# Altium PCB SPG300 Rev05.PcbDoc (part 7 of 8)
Units mm, origin at the board's own origin, x right, y up, seen from the top; angles counter-clockwise.
Board outline 176 x 152 mm, 6 copper layers (Top Layer, GND, Layer 1, Layer 2, PWR, Bottom Layer), stack 1.924 mm thick; 738 components, 393 nets, 2440 pads, 974 vias.
Unrouted connection lines stored in the file: 395.
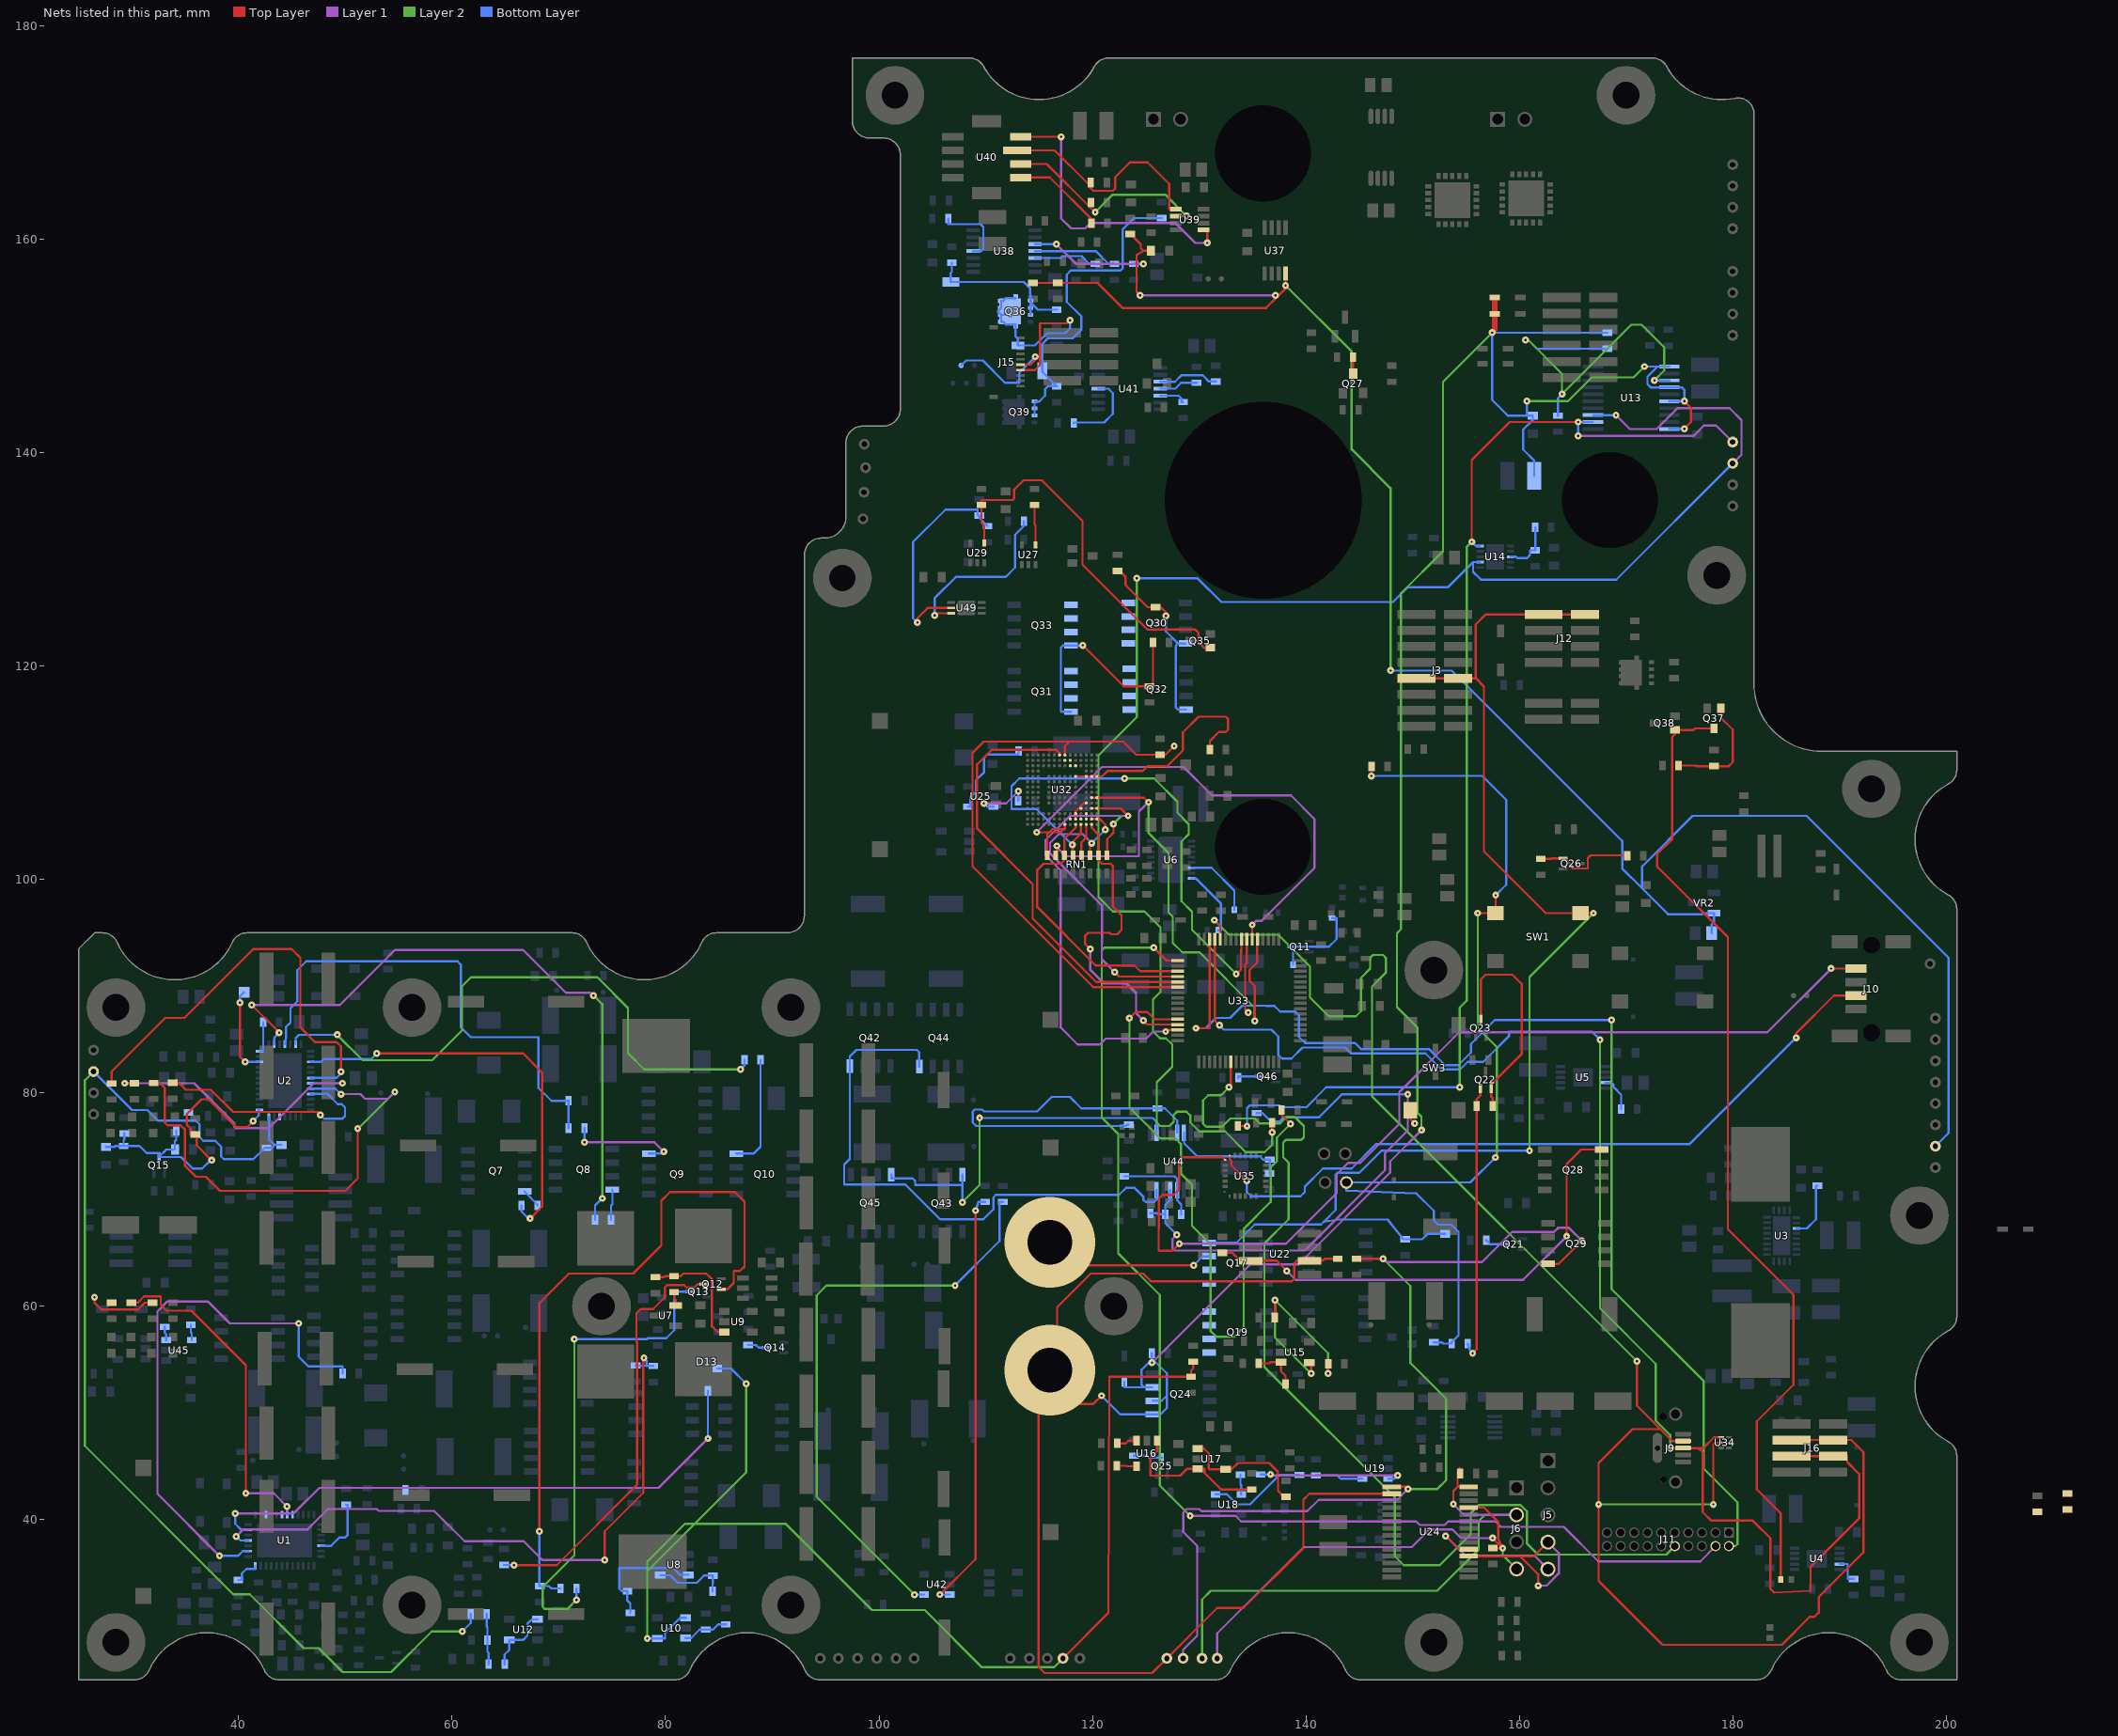
[diagram p11: the nets of this part, all layers, seen from the top]

## Via types
v1: diameter 0.65, hole 0.203, Top Layer to Bottom Layer, 964 vias
v2: diameter 8.5/0.5/0.5/8.5 (per signal layer), hole 4.2, Top Layer to Bottom Layer, 9 vias
v3: diameter 0.905, hole 0.305, Top Layer to Bottom Layer, 1 vias

## Nets (pads, with @x,y where several pads share a name; then routed paths per layer and width w, separated by ;. In a path a pad name is that pad's centre, name@x,y a point inside that pad or via, vN(x,y) a via of type N, cw(c..) or ccw(c..) an arc to the next point about the centre after c; other vN are vias at no path point) (continued)
NetQ7_G: Q7.G R41.2 | length 1.8
  Bottom Layer w0.203: Q7.G@66.821,70.779 66.821,70.698 68,69.52 R41.2@68,69.449
NetQ8_G: Q8.G R42.2 | length 2.9
  Bottom Layer w0.203: R42.2@74.9,68.099 74.9,69.444 75.021,69.566 Q8.G@75.021,70.925
NetQ9_G: Q9.G R38.2 | length 10.6
  Layer 1 w0.203: v1(72.399,75.362) 78.969,75.362 v1(79.832,74.498)
  Bottom Layer w0.203: v1(72.399,75.362) R38.2@72.399,76.699 ; Q9.G@78.439,74.305 79.639,74.305 v1(79.832,74.498)
NetQ10_G: Q10.G R40.2 | length 10.7
  Bottom Layer w0.203: Q10.G@86.629,74.305 88.24,74.305 88.899,74.965 R40.2@88.899,83.1
NetQ11_3: Q11.3 R76.2 R77.2 | length 8.5
  Bottom Layer w0.203: Q11.3@138.7,93.7 Q11.3@138.8,93.7 ; R77.2@138.8,92 Q11.3@138.8,93.7 ; R76.2@142.475,96.375 142.875,96.375 142.875,94.412 142.163,93.7 Q11.3@138.8,93.7
NetQ12_B: Q12.1 R86.2 R89.1 | length 64.8
  Top Layer w0.203: v1(68.174,38.913) 68.174,60.3 70.942,63.068 76.962,63.068 79.604,65.71 79.604,69.901 80.416,70.714 86.487,70.714 87.401,69.799 87.401,63.729 86.97,63.297 86.385,63.297 86.385,62.179 85.781,61.575 Q12.1@85.219,61.575
  Bottom Layer w0.203: v1(68.174,38.913) 68.174,33.775 R86.2@68.226,33.775 69.063,33.775 69.288,33.549 R89.1@70.15,33.549
NetQ12_C: Q12.3 R84.1 | length 39.9
  Top Layer w0.203: v1(65.786,35.738) 69.799,35.738 77.343,43.282 77.343,56.642 77.267,56.718 77.267,59.334 77.673,59.741 78.842,59.741 79.934,60.833 79.934,61.773 80.137,61.976 81.75,61.976 81.953,61.773 82.705,61.773 83.007,62.075 Q12.3@83.619,62.075
  Bottom Layer w0.203: R84.1@64.876,35.75 65.774,35.75 v1(65.786,35.738)
NetQ13_C: Q13.3 R89.2 | length 45.6
  Layer 2 w0.203: v1(71.45,56.921) 71.45,36.652 68.478,33.68 68.478,31.826 68.682,31.623 70.79,31.623 v1(71.65,32.483)
  Bottom Layer w0.203: v1(71.45,56.921) 78.283,56.921 78.359,56.998 80.061,56.998 80.811,57.747 80.811,61.075 81.111,61.375 Q13.3@82.29,61.375 ; v1(71.65,32.483) R89.2@71.65,33.549
NetQ14_C: Q14.3 R95.1 | length 1.9
  Bottom Layer w0.203: R95.1@87.726,56.375 88.468,56.375 88.718,56.125 Q14.3@89.476,56.125
NetQ21_3: Q21.3 R111.2 | length 2
  Bottom Layer w0.203: R111.2@156.9,66.199 157.28,65.819 Q21.3@158.701,65.819
NetQ22_1: Q22.1 R113.1 R115.2 | length 26.2
  Top Layer w0.203: v1(155.626,55.601) 156,55.975 R115.2@156,78.774 156,79.4 156.36,79.76 Q22.1@156.36,80.424
  Bottom Layer w0.203: R113.1@155.175,56.496 155.448,55.601 v1(155.626,55.601)
NetQ22_2: Q22.2 Q23.3 R115.1 | length 20.8
  Top Layer w0.203: Q23.3@156.4,86.899 156.4,90.64 156.845,91.084 159.36,91.084 160.223,90.221 160.223,83.635 157.36,80.772 Q22.2@157.36,80.424 157.36,79.668 157.5,79.527 R115.1@157.5,78.774
NetQ25_3: Q25.3 R119.1 | length 2.7
  Bottom Layer w0.203: R119.1@123.901,45.99 125.12,45.99 125.287,45.824 Q25.3@126.521,45.824
NetQ26_1: Q26.1 R123.1 R129.2 | length 9.8
  Top Layer w0.203: R129.2@162.019,101.939 163.017,101.939 163.067,101.989 Q26.1@164.099,101.989 164.211,101.989 164.97,101.23 164.97,101.034 166.429,101.034 166.429,102.006 166.683,102.26 170.126,102.26 R123.1@170.126,102.223
NetQ27_3: Q27.3 R274.2 | length 1.6
  Top Layer w0.203: Q27.3@144.425,147.4 R274.2@144.425,148.959
NetQ28_G: Q28.G R153.2 U22.7 | length 45.6
  Top Layer w0.203: R153.2@132.176,65 133.121,65 133.857,64.264 U22.7@134.85,64.264 137.254,64.264 v1(138.222,63.297) ; v1(164.44,66.548) 164.44,73.324 165.811,74.696 Q28.G@167.731,74.696
  Layer 1 w0.203: v1(138.222,63.297) 139.055,62.464 160.355,62.464 v1(164.44,66.548)
NetQ30_D1: Q30.D1 Q30.D2 Q30.D3 Q30.D4 Q31.S1 Q31.S2 Q31.S3 Q32.D1 Q32.D2 Q32.D3 Q32.D4 Q33.S1 Q33.S2 Q33.S3
NetQ30_G: Q30.G Q32.G R171.1 R173.2 | length 17.8
  Top Layer w0.203: R173.2@122.347,128.926 122.555,128.926 123.09,128.391 123.09,127.607 125.171,125.525 R171.1@125.93,125.525 126.39,125.525 126.882,125.034 v1(126.882,124.713)
  Bottom Layer w0.203: v1(126.882,124.713) 126.882,123.253 128.016,122.119 ; Q30.G@128.72,122.119 128.016,122.119 ; Q32.G@128.774,115.924 128.016,115.924 127.813,116.127 127.813,121.916 128.016,122.119
NetQ31_G: Q31.G Q33.G R172.1 R174.2 | length 21.2
  Top Layer w0.203: v1(119.091,121.945) 122.936,118.1 R172.1@125.351,118.1 125.675,118.425 R174.2@125.675,122.224
  Bottom Layer w0.203: Q31.G@117.997,115.72 117.119,115.72 117.043,115.796 117.043,121.726 117.246,121.93 Q33.G@117.995,121.93 119.075,121.93 v1(119.091,121.945)
NetQ35_1: Q35.1 R181.2 U29.4 | length 36.2
  Top Layer w0.203: U29.4@109.86,131.549 109.86,133.172 109.599,133.433 R181.2@109.599,135.1 109.599,135.56 112.522,135.56 112.674,135.712 112.674,136.55 113.538,137.414 115.265,137.414 119.075,133.604 119.075,129.515 125.171,123.419 129.642,123.419 129.921,123.139 129.921,122.258 130.454,121.725 Q35.1@131.05,121.725
NetQ36_S1: Q36.S1 Q36.S2 Q36.S3 R213.1 R214.1 R217.2 | length 14.9
  Bottom Layer w0.203: R214.1@106.823,157.799 106.823,156.942 106.726,156.845 R217.2@106.726,156 113.569,156 114.148,155.422 Q36.S1@114.202,154.225 ; Q36.S3@114.202,152.925 Q36.S2@114.202,153.575 Q36.S1@114.202,154.225 ; R213.1@116.659,153.401 114.9,153.401 114.275,154.026 114.275,154.225 Q36.S1@114.202,154.225
NetQ37_1: Q37.1 R226.1 R227.2 | length 10.8
  Top Layer w0.203: R226.1@174.935,110.67 176.555,110.67 176.604,110.622 R227.2@178.25,110.622 179.629,110.622 180.007,111 180.007,114.041 178.9,115.148 Q37.1@178.9,116.05
NetQ37_3: Q37.3 Q38.1 R224.1 | length 91.7
  Top Layer w0.203: Q37.3@178.25,114.15 176.466,114.15 176.327,114.012 Q38.1@174.59,114.012 174.59,113.63 174.32,113.36 174.32,103.759 172.928,102.367 172.928,101.214 179.553,94.59 179.553,67.234 185.699,61.087 185.699,52.654 182.261,49.215 182.261,42.834 184.5,40.595 R224.1@184.5,34.4
NetQ39_S1: Q39.S1 Q39.S2 Q39.S3 R231.1 R232.1 R233.2 | length 32
  Bottom Layer w0.203: Q39.S3@114.578,143.5 Q39.S2@114.578,144.15 Q39.S1@114.578,144.8 115.011,144.8 115.57,145.358 115.57,145.971 115.824,146.225 R231.1@116.659,146.225 115.302,147.582 R233.2@115.302,147.674 115.302,150.192 115.824,150.714 118.135,150.714 118.974,151.552 118.974,152.756 117.602,154.127 117.602,156.693 117.983,157.074 122.631,157.074 122.834,157.277 122.834,160.934 123.9,162 R232.1@126.501,162
NetQ42_G: Q42.G Q44.G U44.15 | length 54.6
  Bottom Layer w0.203: Q44.G@103.771,82.464 103.771,83.808 103.551,84.028 97.884,84.028 97.27,83.415 Q42.G@97.27,82.503 97.27,73.821 96.735,73.286 96.735,71.406 102.472,71.406 105.73,68.148 109.779,68.148 110.719,69.088 110.719,70.206 110.947,70.434 122.484,70.434 123.139,71.089 123.952,71.089 124.765,70.277 124.765,69.977 124.968,69.774 125.781,69.774 126.019,70.012 U44.15@126.019,70.873
NetQ43_G: Q43.G Q45.G U44.2 | length 36.4
  Layer 2 w0.203: v1(107.815,69.748) 109.423,71.357 v1(109.423,77.648)
  Bottom Layer w0.203: Q45.G@101.155,72.346 101.155,71.984 103.141,71.984 103.395,71.73 103.395,71.374 107.815,71.374 ; v1(107.815,69.748) 107.815,71.374 ; Q43.G@107.815,72.327 107.815,71.374 ; v1(109.423,77.648) 125.654,77.648 126.019,77.283 U44.2@126.019,76.272
NetQ46_3: Q46.3 R251.1 | length 2
  Bottom Layer w0.203: R251.1@133.675,81.421 133.675,81.534 134.823,81.534 134.826,81.531 Q46.3@135.601,81.531
NetR5_1: R5.1 U1.14 | length 51
  Layer 1 w0.203: v1(38.202,36.601) 32.385,42.418 32.385,59.512 33.325,60.452 37.109,60.452 39.167,58.395 v1(45.618,58.395)
  Bottom Layer w0.203: v1(38.202,36.601) 39.929,36.601 40.378,37.05 U1.14@40.9,37.05 ; v1(45.618,58.395) 45.618,55.27 46.533,54.356 49.749,54.356 R5.1@49.749,53.699
NetR6_1: R6.1 R7.1 U1.16 | length 61.8
  Top Layer w0.203: v1(74.295,36.22) 74.295,38.913 77.902,42.52 77.902,55.067 v1(77.978,55.143)
  Layer 1 w0.203: v1(39.776,38.43) 40.437,39.091 46.457,39.091 48.362,40.996 52.934,40.996 53.111,40.818 58.318,40.818 61.163,37.973 66.7,37.973 68.453,36.22 v1(74.295,36.22)
  Bottom Layer w0.203: v1(39.776,38.43) 40.156,38.05 U1.16@40.9,38.05 ; R7.1@77.2,54.451 78.207,54.399 ; v1(77.978,55.143) 78.207,54.915 78.207,54.399 ; R6.1@78.865,54.399 78.207,54.399
NetR8_1: R8.1 U1.18 | length 54.1
  Layer 1 w0.203: v1(39.675,40.589) 45.169,40.589 47.557,42.977 79.35,42.977 v1(83.972,47.6)
  Bottom Layer w0.203: v1(39.675,40.589) 39.675,39.609 40.234,39.05 U1.18@40.9,39.05 ; v1(83.972,47.6) v1(83.972,47.6) R8.1@83.974,52.075
NetR11_1: R11.1 U1.22
NetR22_1: R22.1 U1.36 | length 5.9
  Bottom Layer w0.203: U1.36@47.7,37.55 48.666,37.55 49.457,38.342 49.987,38.342 50.216,38.57 50.216,41.387 R22.1@50.076,41.387
NetR25_2: R25.2 U1.12 | length 2.6
  Bottom Layer w0.203: R25.2@39.96,34.35 40.295,34.35 40.295,34.95 40.733,35.389 41.55,35.389 U1.12@41.55,35.65
NetR26_2: R26.2 U1.25
NetR27_2: R27.2 U1.26 | length 31.3
  Top Layer w0.203: R27.2@29.949,60.325 30.531,60.325 31.141,60.935 32.69,60.935 32.69,60.147 33.249,59.588 35.56,59.588 40.665,54.483 v1(40.665,42.469)
  Layer 1 w0.203: v1(40.665,42.469) 43.282,42.469 v1(44.526,41.224)
  Bottom Layer w0.203: v1(44.526,41.224) 44.55,41.2 U1.26@44.55,40.45
NetR28_2: R28.2 U1.27 | length 6.5
  Top Layer w0.203: v1(26.486,60.845) 26.486,60.325 27.116,59.695 30.557,59.695 31.187,60.325 R28.2@31.924,60.325
NetR37_1: R37.1 R38.1 U2.16 | length 47.3
  Bottom Layer w0.203: U2.16@44.338,84.551 44.425,85.253 44.425,86.157 44.856,86.589 44.856,87.935 45.491,88.57 45.491,91.491 46.33,92.329 60.503,92.329 60.808,92.024 60.808,86.157 61.722,85.242 68.097,85.217 68.097,80.467 69.317,79.248 R37.1@70.9,79.248 ; R38.1@70.9,76.699 R37.1@70.9,79.248 ; R37.1@70.9,79.268 R37.1@70.9,79.248
NetR40_1: R40.1 U2.18 | length 56.2
  Layer 2 w0.203: v1(49.225,85.446) 51.613,83.058 58.141,83.058 60.935,85.852 60.935,89.992 61.773,90.83 73.609,90.83 76.479,87.96 76.479,83.718 78.003,82.194 v1(87.02,82.194)
  Bottom Layer w0.203: U2.18@45.338,84.551 45.338,85.141 45.643,85.446 v1(49.225,85.446) ; v1(87.02,82.194) 87.4,82.574 R40.1@87.4,83.1
NetR41_1: R41.1 U2.22 | length 38.6
  Top Layer w0.203: v1(52.934,83.693) 66.65,83.693 68.428,81.915 68.428,69.342 v1(67.31,68.224)
  Bottom Layer w0.203: U2.22@46.738,82.901 47.709,82.901 47.968,83.16 52.4,83.16 v1(52.934,83.693) ; R41.1@66.499,69.449 66.499,68.885 67.16,68.224 v1(67.31,68.224)
NetR42_1: R42.1 U2.14 | length 62.5
  Top Layer w0.203: v1(41.224,88.24) 43.79,85.674 v1(43.79,85.623)
  Layer 1 w0.203: v1(41.224,88.24) 49.479,88.24 54.635,93.396 66.65,93.396 70.663,89.383 73,89.383 v1(73.254,89.129)
  Layer 2 w0.203: v1(73.254,89.129) 74.066,88.316 v1(74.066,70.111)
  Bottom Layer w0.203: U2.14@43.338,84.551 43.338,85.172 v1(43.79,85.623) ; R42.1@73.399,68.099 73.399,69.444 v1(74.066,70.111)
NetR51_1: R51.1 U2.36
NetR52_2: R52.2 U2.25 | length 40.5
  Top Layer w0.203: R52.2@28.099,80.874 28.092,80.874 28.092,81.991 33.122,87.02 34.925,87.02 41.377,93.472 44.958,93.472 45.771,92.659 45.771,86.131 47.142,84.76 49.174,84.76 49.581,84.353 v1(49.581,81.991)
  Bottom Layer w0.203: U2.25@46.738,81.401 49.174,81.401 49.581,81.807 v1(49.581,81.991)
NetR53_2: R53.2 U2.26 | length 27.9
  Top Layer w0.203: v1(29.312,80.9) R53.2@30.224,80.9
  Layer 1 w0.203: v1(29.312,80.9) 35.813,80.9 39.601,77.112 39.601,76.833 39.726,76.708 42.85,76.708 47.043,80.901 v1(49.71,80.901)
  Bottom Layer w0.203: U2.26@46.738,80.901 v1(49.71,80.901)
NetR54_2: R54.2 U2.27 | length 45.8
  Top Layer w0.203: R54.2@32.024,80.924 32.614,80.924 33.071,80.467 33.071,77.216 33.325,76.962 34.544,76.962 34.976,76.53 34.976,73.152 35.992,72.136 36.932,72.136 38.252,70.815 49.987,70.815 51.156,71.984 v1(51.156,76.657)
  Layer 1 w0.203: v1(49.581,79.883) 51.41,79.883 51.841,79.451 54,79.451 v1(54.635,80.086)
  Layer 2 w0.203: v1(51.156,76.657) 51.206,76.657 v1(54.635,80.086)
  Bottom Layer w0.203: U2.27@46.738,80.401 49.063,80.401 v1(49.581,79.883)
NetR55_2: R55.2 U2.28 | length 22.2
  Top Layer w0.203: R55.2@33.827,80.949 34.392,80.949 35.052,80.289 37.389,80.289 39.472,78.207 47.371,78.207 v1(47.65,77.927)
  Bottom Layer w0.203: U2.28@46.738,79.901 48.331,79.901 49.286,78.947 49.648,78.947 49.957,78.638 49.957,77.826 49.708,77.577 48.001,77.577 v1(47.65,77.927)
NetR57_2: R57.2 U2.12 | length 3.1
  Bottom Layer w0.203: U2.12@41.938,83.901 42.288,83.901 42.305,83.917 R57.2@42.305,86.62
NetR64_2: R64.2 U3.3 | length 5.5
  Bottom Layer w0.203: U3.3@185.99,67.293 186.944,67.293 187.808,68.157 187.808,71.298 R64.2@187.947,71.298
NetR66_2: R66.2 U4.4 | length 2.7
  Bottom Layer w0.203: U4.4@190.006,35.838 190.779,35.838 190.779,34.445 R66.2@191.326,34.445
NetR70_2: R70.2 U5.4 | length 3.4
  Bottom Layer w0.203: U5.4@168.081,80.95 168.656,80.95 168.834,80.772 168.834,80.548 169.55,79.832 R70.2@169.55,78.478
NetR73_2: R73.2 U6.6 | length 6.7
  Bottom Layer w0.203: U6.6@129.273,101.1 131.155,101.1 133.301,98.954 R73.2@133.301,97.151
NetR75_2: R75.2 U6.8 | length 6.5
  Bottom Layer w0.203: U6.8@129.273,100.1 129.694,100.1 132.055,97.739 132.055,95.249 R75.2@131.775,95.249
NetR79_1: R79.1 R83.2 U8.4 | length 7
  Bottom Layer w0.203: U8.4@79.511,34.79 80.45,34.79 81.153,34.087 82.929,34.087 83.591,34.75 R79.1@84.426,34.75 84.426,34.01 84.4,33.985 R83.2@84.4,33.275
NetR80_2: R80.2 R85.2 U8.3 | length 11.7
  Bottom Layer w0.203: R85.2@76.701,31.25 76.701,32.131 76.424,32.407 R80.2@76.424,33.3 75.894,33.3 75.667,33.528 75.667,35.458 80.722,35.458 81.356,34.825 U8.3@82.141,34.825
NetR82_1: R82.1 R87.2 U9.3 | length 11.5
  Top Layer w0.203: R87.2@79.05,62.725 79.858,62.725 79.958,62.825 R82.1@80.8,62.825 81.418,62.825 81.661,63.068 83.82,63.068 84.353,62.535 84.353,58.115 84.869,57.599 U9.3@85.51,57.599
NetR82_2: R82.2 U7.2 | length 1.3
  Top Layer w0.203: R82.2@80.8,61.325 80.8,60.754 80.951,60.604 U7.2@80.951,60.075
NetR90_2: R90.2 R91.2 U10.3 | length 4.3
  Bottom Layer w0.203: U10.3@81.866,28.9 82.398,28.9 83.198,29.7 R91.2@83.775,29.7 84.455,29.7 84.945,30.19 R90.2@85.649,30.19
NetR93_1: R93.1 R97.2 R99.1 | length 4.8
  Bottom Layer w0.203: R99.1@63.25,31.151 63.25,29.946 63.301,29.896 R93.1@63.301,28.701 63.301,27.633 63.425,27.508 R97.2@63.425,26.451
NetR97_1: R97.1 U12.1 U12.4 | length 6.5
  Bottom Layer w0.203: R97.1@64.925,26.451 64.925,27.356 65.361,27.791 U12.4@65.361,28.715 66.65,28.715 67.056,29.121 67.056,30.244 67.462,30.65 U12.1@67.991,30.65
NetR126_1: R126.1 R130.2 U13.13 | length 34.8
  Layer 2 w0.203: v1(160.599,150.558) 160.843,150.558 164.008,147.394 v1(164.008,145.499) 170.502,151.994 171.475,151.994 173.584,149.885 173.584,147.701 v1(172.669,146.787)
  Bottom Layer w0.203: v1(160.599,150.558) 160.843,150.558 161.651,149.75 R130.2@168.249,149.75 ; R126.1@163.627,143.467 163.627,145.118 v1(164.008,145.499) ; v1(172.669,146.787) 172.682,146.774 U13.13@174.059,146.774
NetR131_2: R131.2 R132.2 U14.3 | length 5.1
  Bottom Layer w0.203: U14.3@159.164,130.249 159.687,130.249 159.817,130.119 160.731,130.119 161.011,130.399 161.011,130.849 R131.2@161.501,130.849 161.501,131.902 ; 161.5,131.903 R132.2@161.5,133
NetR133_1: R133.1 R136.1 U15.4 | length 21
  Top Layer w0.203: R133.1@137.1,58.949 v1(137.1,60.579) ; U15.4@140.314,54.715 140.487,54.715 v1(140.487,53.696) ; v1(142.088,53.696) 142.1,53.708 R136.1@142.1,54.6
  Layer 2 w0.203: v1(137.1,60.579) v1@137.109,60.57 ; v1(140.487,53.696) 137.109,57.074 v1@137.109,60.57 ; v1(142.088,53.696) 142.088,55.592 v1@137.109,60.57
NetR134_1: R134.1 R137.2 U15.3 | length 4.3
  Top Layer w0.203: R134.1@135.6,54.649 136.576,54.649 136.676,54.75 U15.3@137.684,54.75 137.684,53.908 138.1,53.492 R137.2@138.1,52.699
NetR142_1: R142.1 U16.4 | length 1.9
  Top Layer w0.203: R142.1@122.289,45.049 123.19,45.049 123.239,45.001 U16.4@124.15,45.001
NetR143_1: R143.1 U16.3 | length 1.9
  Top Layer w0.203: R143.1@122.339,47.15 123.114,47.15 123.365,47.401 U16.3@124.15,47.401
NetR144_2: R144.2 U17.1 U17.4 | length 12.5
  Top Layer w0.203: U17.1@129.857,46.65 130.464,46.65 130.905,46.209 130.905,44.801 130.991,44.715 U17.4@132.487,44.715 133.045,44.715 133.644,45.314 136.55,45.314 137.389,44.475 137.389,42.697 137.936,42.15 R144.2@138.15,42.15
NetR145_2: R145.2 U16.1 U17.3 | length 14.3
  Top Layer w0.203: U16.1@126.05,47.401 126.05,46.395 125.425,45.771 125.425,44.12 128.224,44.12 128.854,44.75 U17.3@129.857,44.75 130.499,44.75 130.499,44.394 132.063,42.83 R145.2@134.927,42.83
NetR169_1: R169.1 U25.3 | length 5.6
  Layer 1 w0.203: v1(109.83,107.137) 111.912,107.137 v1(113.055,108.28)
  Bottom Layer w0.203: v1(109.83,107.137) 110.143,106.824 U25.3@110.726,106.824 ; R169.1@113.05,107.374 113.05,108.274 v1(113.055,108.28)
NetR170_1: R170.1 U25.4 | length 9.1
  Bottom Layer w0.203: U25.4@108.326,106.824 108.56,106.824 108.56,107.696 109.081,108.217 109.081,109.296 109.855,110.071 109.855,111.43 110.134,111.709 113.075,111.709 R170.1@113.075,112.049
NetR176_2: R176.2 U27.4 | length 3.8
  Top Layer w0.203: R176.2@114.574,135.1 114.574,133.269 114.671,133.172 U27.4@114.671,131.374
NetR178_2: R178.2 U49.3 | length 16.7
  Top Layer w0.203: v1(105.207,124.739) 105.417,124.95 U49.3@106.775,124.95
  Bottom Layer w0.203: v1(105.207,124.739) 105.207,126.365 107.213,128.372 111.887,128.372 112.751,129.235 112.751,132.304 113.594,133.147 R178.2@113.594,133.575
NetR179_2: R179.2 R180.2 U49.2 | length 21.1
  Top Layer w0.203: v1(103.606,124.079) 103.566,124.119 103.566,124.445 104.571,125.45 U49.2@106.775,125.45
  Bottom Layer w0.203: v1(103.606,124.079) 103.2,124.485 103.2,131.648 106.223,134.671 109.245,134.671 109.245,134.116 R179.2@109.399,134.116 109.399,133.892 R180.2@110.175,133.117
NetR185_2: R185.2 U33.60 | length 64.5
  Top Layer w0.203: v1(123.469,86.995) 124.054,87.579 125.153,87.579 125.832,86.9 U33.60@127.977,86.9 ; R185.2@137.724,78.399 137.724,77.922 v1(138.557,77.089)
  Layer 2 w0.203: v1(123.469,86.995) 123.469,78.638 126.39,75.717 127.771,75.717 128.31,75.179 128.31,72.41 129.337,71.383 129.337,67.539 131.064,65.811 131.064,57.683 131.597,57.15 133.299,57.15 134.188,58.039 134.188,67.259 136.703,69.774 136.703,73.016 137.289,73.602 137.289,75.821 v1(138.557,77.089)
NetR206_2: R206.2 U38.11 | length 7
  Bottom Layer w0.203: R206.2@106.5,161.949 106.5,161.417 109.525,161.417 109.779,161.163 109.779,159.106 109.573,158.9 U38.11@108.825,158.9
NetR207_1: R207.1 U39.1 U40.3 | length 21.7
  Top Layer w0.203: U40.3@112.966,168.335 116.459,168.335 119.484,165.31 R207.1@119.85,165.31 119.85,164.782 120.091,164.541 121.92,164.541 122.123,164.744 122.123,165.811 123.52,167.208 125.171,167.208 127.203,165.176 127.203,162.824 U39.1@127.815,162.824